# Altium PCB 2-quilter-output.PcbDoc (part 23 of 26)
Units mil, origin at the board's own origin, x right, y up, seen from the top; angles counter-clockwise.
Board outline 4130.55 x 4250 mil, 8 copper layers (L1, Ground L2, L3, Power L4, Ground L5, L6, Ground L7, L8), stack 62.985 mil thick; 591 components, 494 nets, 2245 pads, 1508 vias.
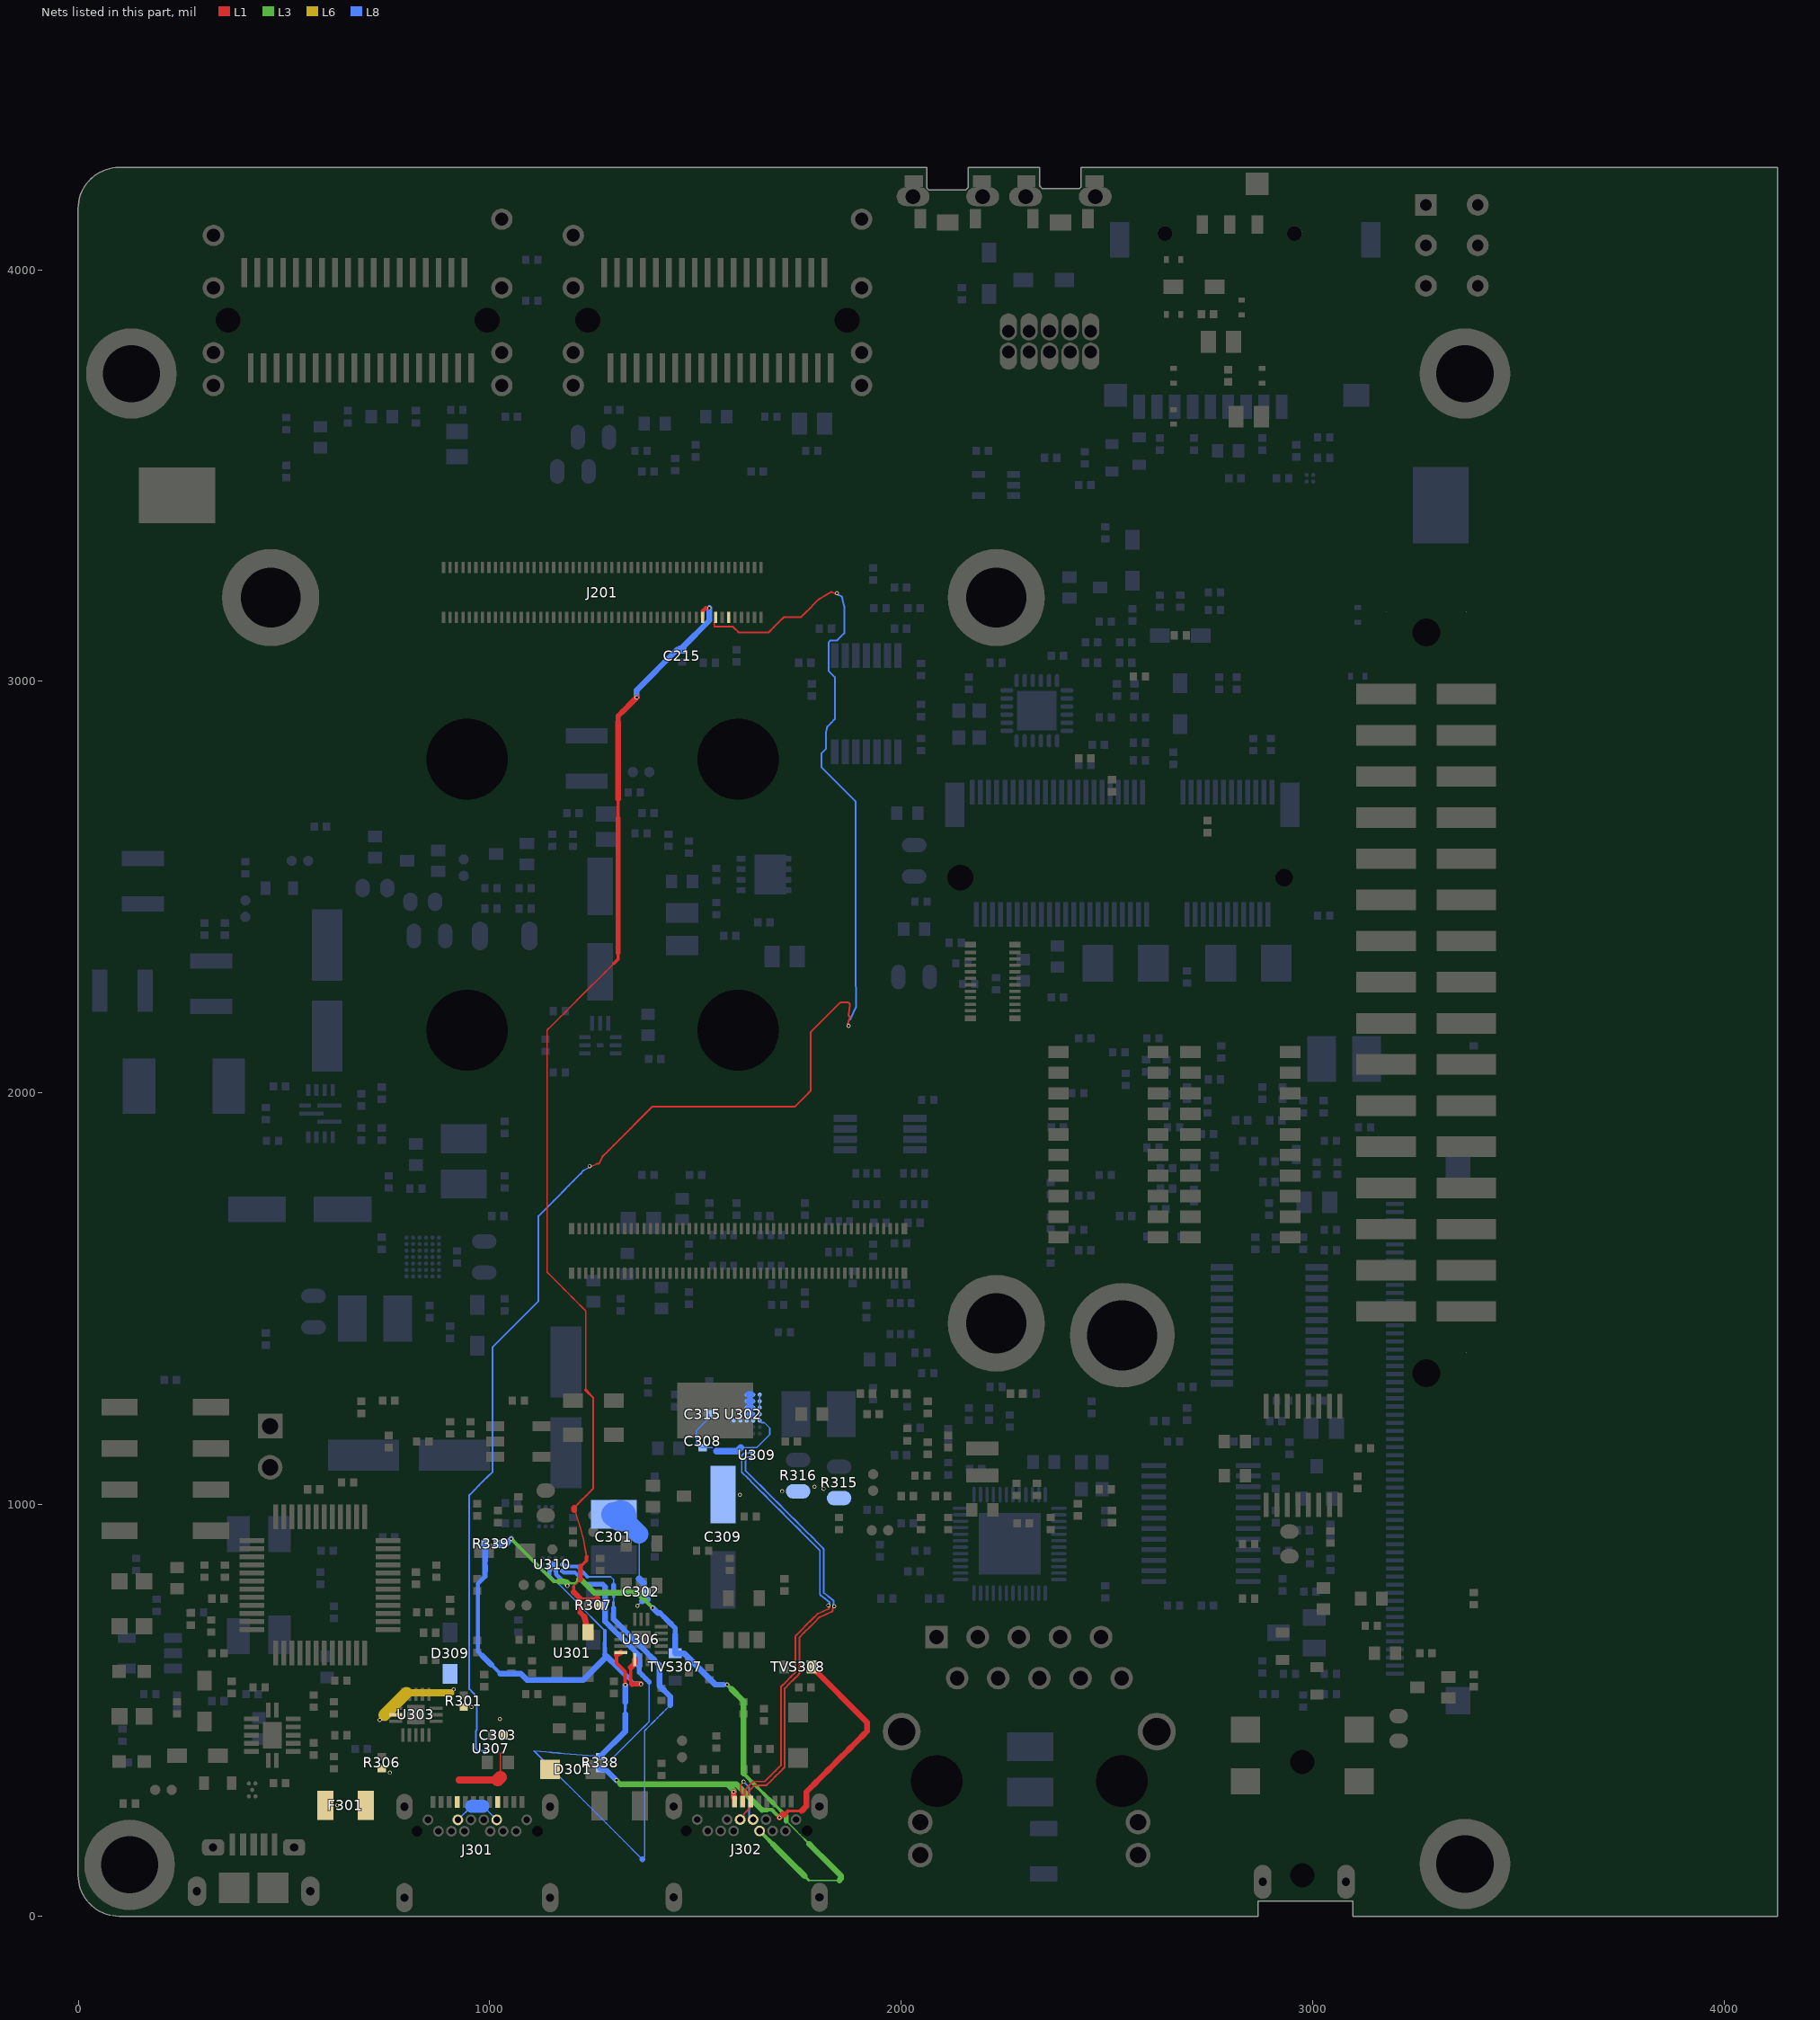
[diagram p29: the nets of this part, all layers, seen from the top]

## Via types
v1: diameter 9.85, hole 5.91, L1 to L8, tented both sides, 1508 vias

## Nets (pads, with @x,y where several pads share a name; then routed paths per layer and width w, separated by ;. In a path a pad name is that pad's centre, name@x,y a point inside that pad or via, vN(x,y) a via of type N, cw(c..) or ccw(c..) an arc to the next point about the centre after c; other vN are vias at no path point) (continued)
USB1_DP: J201.85 U307.C1 | length 4029.2
  L1 w4.28: v1(1243.09,1822) 1244.32,1819.49 1260.18,1827.28 1260.29,1827.34 1260.4,1827.39 1260.52,1827.43 1260.63,1827.48 1260.75,1827.52 1260.86,1827.56 1260.98,1827.59 1261.1,1827.62 1261.22,1827.65 1261.34,1827.67 1261.45,1827.7 1261.58,1827.71 1261.7,1827.73 1261.82,1827.74 1261.94,1827.75 1262.06,1827.76 1262.18,1827.76 1265.8,1827.79 1273.57,1842.95 1274.81,1845.57 ; 1274.81,1845.59 1274.87,1845.7 1274.92,1845.81 1274.98,1845.91 1275.05,1846.02 1275.11,1846.12 1275.18,1846.22 1275.25,1846.32 1275.32,1846.42 1275.4,1846.52 1275.48,1846.61 1275.56,1846.7 1275.64,1846.79 1275.72,1846.88 1288.82,1859.98 1301.92,1873.08 1315.02,1886.18 1328.12,1899.27 1341.22,1912.37 1354.31,1925.47 1367.41,1938.57 1380.51,1951.67 1393.61,1964.77 1393.69,1964.84 1393.78,1964.92 1393.87,1965.01 1393.96,1965.08 1394.06,1965.16 1394.15,1965.23 1394.25,1965.3 1394.35,1965.37 1394.46,1965.44 1394.56,1965.5 1394.67,1965.56 1394.78,1965.62 1394.89,1965.67 1395,1965.72 1395.11,1965.77 1395.22,1965.82 1395.34,1965.86 1395.45,1965.9 1395.57,1965.93 1395.69,1965.97 1395.8,1966 1395.92,1966.02 1396.04,1966.05 1396.16,1966.07 1396.28,1966.09 1396.4,1966.1 1396.53,1966.11 1396.65,1966.12 1396.77,1966.12 1396.89,1966.13 1415.04,1966.13 1433.19,1966.13 1451.34,1966.13 1469.49,1966.13 1487.65,1966.13 1505.8,1966.13 1523.95,1966.13 1542.1,1966.13 1560.25,1966.13 1578.4,1966.13 1596.55,1966.13 1614.7,1966.13 1632.85,1966.13 1651,1966.13 1669.15,1966.13 1687.3,1966.13 1705.45,1966.13 1723.61,1966.13 1741.76,1966.13 1754.6,1978.97 1767.44,1991.81 1780.28,2004.65 1780.28,2022.28 1780.28,2039.91 1780.28,2057.53 1780.28,2075.16 1780.28,2092.78 1780.28,2110.41 1780.28,2128.04 1780.28,2145.66 1780.29,2145.77 1780.29,2145.89 1780.3,2146.01 1780.31,2146.14 1780.32,2146.26 1780.34,2146.38 1780.36,2146.5 1780.38,2146.62 1780.41,2146.74 1780.44,2146.86 1780.47,2146.97 1780.51,2147.09 1780.55,2147.21 1780.59,2147.32 1780.63,2147.43 1780.68,2147.55 1780.73,2147.66 1780.79,2147.77 1780.84,2147.87 1780.9,2147.98 1780.97,2148.08 1781.03,2148.19 1781.1,2148.29 1781.17,2148.39 1781.24,2148.49 1781.32,2148.58 1781.39,2148.68 1781.48,2148.77 1781.56,2148.86 1781.64,2148.95 1793.14,2160.45 1804.65,2171.95 1816.15,2183.45 1827.65,2194.95 1839.15,2206.45 1850.65,2217.96 1850.73,2218.03 1850.82,2218.11 1850.91,2218.19 1851,2218.27 1851.1,2218.35 1851.2,2218.42 1851.3,2218.49 1851.4,2218.56 1851.5,2218.63 1851.61,2218.69 1851.71,2218.75 1851.82,2218.81 1851.93,2218.86 1852.04,2218.91 1852.15,2218.96 1852.27,2219 1852.38,2219.05 1852.5,2219.09 1852.61,2219.12 1852.73,2219.16 1852.85,2219.19 1852.97,2219.21 1853.09,2219.24 1853.21,2219.26 1853.33,2219.28 1853.45,2219.29 1853.57,2219.3 1853.69,2219.31 1853.81,2219.31 1853.93,2219.32 1870.63,2219.32 1870.73,2219.31 1870.85,2219.31 1870.97,2219.3 1871.09,2219.29 1871.21,2219.28 1871.33,2219.26 1871.45,2219.24 1871.57,2219.22 1871.69,2219.19 1871.81,2219.16 1871.93,2219.13 1872.04,2219.09 1872.16,2219.06 1872.27,2219.01 1872.39,2218.97 1872.5,2218.92 1872.61,2218.87 1872.72,2218.82 1872.83,2218.76 1872.94,2218.7 1873.04,2218.64 1873.14,2218.58 1873.25,2218.51 1873.35,2218.44 1873.44,2218.37 1873.54,2218.29 1873.63,2218.21 1873.73,2218.13 1873.82,2218.05 1873.9,2217.97 1873.99,2217.88 1874.07,2217.79 1874.15,2217.7 1874.23,2217.6 1874.31,2217.51 1874.38,2217.41 1874.45,2217.31 1874.52,2217.21 1874.58,2217.11 1874.65,2217 1874.71,2216.9 1874.76,2216.79 1874.82,2216.68 1874.87,2216.57 1874.92,2216.46 1874.96,2216.34 1875,2216.23 1875.04,2216.11 1875.08,2216 1875.11,2215.88 1875.14,2215.76 1875.17,2215.64 1875.19,2215.52 1875.21,2215.4 1875.23,2215.28 1875.25,2215.16 1875.26,2215.04 1875.27,2214.92 1875.27,2214.8 1875.27,2214.67 1875.27,2214.55 1875.27,2214.43 1875.26,2214.31 1875.25,2214.19 1873.84,2200.87 1872.43,2187.54 1872.57,2187.47 1872.68,2187.42 1872.79,2187.36 1872.89,2187.29 1873,2187.23 1873.1,2187.16 1873.2,2187.09 1873.3,2187.02 1873.39,2186.94 1873.48,2186.86 1873.58,2186.78 1873.67,2186.7 1873.75,2186.61 1873.84,2186.53 1873.92,2186.44 1874,2186.34 1874.08,2186.25 1874.15,2186.16 1874.23,2186.06 1874.3,2185.96 1874.36,2185.86 1874.43,2185.75 1874.49,2185.65 1874.55,2185.54 1874.61,2185.43 1874.66,2185.32 1874.71,2185.21 1874.76,2185.1 1874.8,2184.99 1874.84,2184.87 1874.88,2184.76 1874.92,2184.64 1874.95,2184.52 1874.98,2184.4 1875.01,2184.28 1875.03,2184.16 1875.05,2184.04 1875.07,2183.92 1875.08,2183.8 1875.09,2183.68 1875.1,2183.56 1875.1,2183.44 1875.1,2183.32 1875.1,2183.19 1875.1,2183.07 1875.09,2182.95 1875.08,2182.83 1875.06,2182.71 1875.04,2182.59 1875.02,2182.47 1875,2182.35 1874.97,2182.23 1874.94,2182.11 1872.38,2172.78 1869.82,2163.45 v1(1872.5,2162.72) ; J201.85@1549.22,3155.16 1546,3141.13 1545.98,3133.26 1560.2,3133.26 1574.42,3133.26 1588.64,3133.26 1588.75,3133.25 1588.87,3133.25 1588.99,3133.24 1589.11,3133.23 1589.23,3133.22 1589.35,3133.2 1589.47,3133.18 1589.59,3133.16 1589.71,3133.13 1589.83,3133.1 1589.95,3133.07 1590.06,3133.03 1590.18,3132.99 1590.29,3132.95 1590.41,3132.9 1590.52,3132.86 1590.63,3132.81 1590.74,3132.75 1590.85,3132.7 1590.95,3132.64 1591.06,3132.57 1591.16,3132.51 1591.26,3132.44 1591.36,3132.37 1591.46,3132.3 1591.56,3132.22 1591.65,3132.14 1591.74,3132.06 1591.83,3131.98 1591.92,3131.9 1604.64,3119.17 1623.16,3119.17 1641.68,3119.17 1660.2,3119.17 1678.71,3119.17 1690.58,3131.04 1702.45,3142.91 1714.32,3154.78 1714.4,3154.86 1714.49,3154.94 1714.58,3155.02 1714.68,3155.1 1714.77,3155.17 1714.87,3155.25 1714.97,3155.32 1715.07,3155.39 1715.17,3155.45 1715.28,3155.51 1715.38,3155.57 1715.49,3155.63 1715.6,3155.68 1715.71,3155.74 1715.82,3155.78 1715.94,3155.83 1716.05,3155.87 1716.17,3155.91 1716.28,3155.95 1716.4,3155.98 1716.52,3156.01 1716.64,3156.04 1716.76,3156.06 1716.88,3156.08 1717,3156.1 1717.12,3156.12 1717.24,3156.13 1717.36,3156.13 1717.48,3156.14 1717.61,3156.14 1730.72,3156.14 1743.83,3156.14 1756.94,3156.14 1767.61,3166.82 1778.29,3177.49 1788.97,3188.17 1799.64,3198.85 1799.75,3198.95 1799.84,3199.04 1799.94,3199.12 1800.03,3199.19 1800.13,3199.27 1800.22,3199.34 1800.32,3199.41 1800.43,3199.48 1800.53,3199.54 1808.78,3204.51 1817.03,3209.48 1828.19,3216.13 1828.25,3216.16 1828.36,3216.22 1828.46,3216.28 1828.57,3216.33 1828.68,3216.38 1828.8,3216.43 1828.91,3216.48 1829.02,3216.52 1829.14,3216.56 1829.26,3216.59 1829.37,3216.63 1829.49,3216.66 1829.61,3216.68 1829.73,3216.71 1829.85,3216.73 1829.97,3216.74 1830.09,3216.76 1830.21,3216.77 1830.34,3216.78 1830.46,3216.78 1830.58,3216.78 1830.7,3216.78 1830.82,3216.77 1830.95,3216.77 1831.07,3216.75 1831.19,3216.74 1831.31,3216.72 1831.43,3216.7 1831.55,3216.68 1831.67,3216.65 1831.79,3216.62 1831.9,3216.58 1832.02,3216.55 1832.13,3216.51 1832.25,3216.47 1832.36,3216.42 1843.1,3211.91 v1(1844.18,3214.48)
  L8 w4.28: U307.C1@987.49,397.66 982.44,400.87 973.64,400.86 973.53,400.87 973.41,400.87 973.29,400.88 973.16,400.89 973.04,400.9 972.92,400.92 972.8,400.94 972.68,400.96 972.56,400.99 972.45,401.02 972.33,401.05 972.21,401.09 972.1,401.13 971.98,401.17 971.87,401.21 971.76,401.26 971.65,401.31 971.54,401.37 971.43,401.42 971.32,401.48 971.22,401.55 971.11,401.61 971.01,401.68 970.91,401.75 970.81,401.82 970.72,401.9 970.62,401.98 970.53,402.06 970.44,402.14 970.36,402.22 967.42,405.16 967.35,405.24 967.26,405.32 967.18,405.42 967.1,405.51 967.03,405.61 966.96,405.7 966.88,405.8 966.82,405.9 966.75,406.01 966.69,406.11 966.63,406.22 966.57,406.33 966.52,406.43 966.47,406.54 966.42,406.66 966.37,406.77 966.33,406.88 966.29,407 966.26,407.12 966.22,407.23 966.19,407.35 966.16,407.47 966.14,407.59 966.12,407.71 966.1,407.83 966.09,407.95 966.08,408.07 966.07,408.2 966.06,408.32 966.06,408.44 966.06,421.28 966.06,434.12 966.06,446.96 966.06,447.07 966.07,447.19 966.08,447.31 966.09,447.43 966.1,447.55 966.12,447.68 966.14,447.8 966.16,447.92 966.19,448.03 966.22,448.15 966.25,448.27 966.29,448.39 966.33,448.5 966.37,448.62 966.41,448.73 966.46,448.84 966.51,448.95 966.57,449.06 966.62,449.17 966.68,449.28 966.74,449.38 966.81,449.49 966.88,449.59 966.95,449.69 967.02,449.78 967.09,449.88 967.17,449.97 967.25,450.07 967.34,450.15 967.42,450.24 968.57,451.39 968.57,467.7 968.57,484.02 968.57,500.33 968.57,516.65 968.57,532.97 959.95,541.58 951.34,550.19 951.27,550.26 951.19,550.35 951.1,550.45 951.03,550.54 950.95,550.63 950.88,550.73 950.81,550.83 950.74,550.93 950.67,551.04 950.61,551.14 950.55,551.25 950.49,551.36 950.44,551.46 950.39,551.57 950.34,551.69 950.29,551.8 950.25,551.91 950.21,552.03 950.18,552.15 950.14,552.26 950.11,552.38 950.09,552.5 950.06,552.62 950.04,552.74 950.02,552.86 950.01,552.98 950,553.1 949.99,553.23 949.99,553.35 949.98,553.47 949.98,572.13 949.98,590.79 949.98,609.46 949.98,628.12 949.98,646.78 949.98,665.44 949.98,684.11 949.98,702.77 949.98,721.43 949.98,740.09 949.98,758.76 949.98,777.42 949.98,796.08 949.98,814.74 949.98,833.4 949.98,852.07 949.98,870.73 949.98,889.39 949.98,908.05 949.98,926.72 949.98,945.38 949.98,964.04 949.98,982.7 949.98,1001.37 949.98,1020.03 949.99,1020.13 949.99,1020.26 950,1020.38 950.01,1020.5 950.02,1020.62 950.04,1020.74 950.06,1020.86 950.08,1020.98 950.11,1021.1 950.14,1021.22 950.17,1021.34 950.21,1021.45 950.25,1021.57 950.29,1021.68 950.33,1021.8 950.38,1021.91 950.43,1022.02 950.49,1022.13 950.54,1022.24 950.6,1022.34 950.67,1022.45 950.73,1022.55 950.8,1022.65 950.87,1022.75 950.94,1022.85 951.02,1022.95 951.1,1023.04 951.18,1023.13 951.26,1023.22 951.34,1023.31 962.5,1034.47 973.67,1045.63 984.83,1056.79 995.99,1067.95 1007.15,1079.12 1007.15,1097.94 1007.15,1116.76 1007.15,1135.58 1007.15,1154.4 1007.15,1173.22 1007.15,1192.04 1007.15,1210.87 1007.15,1229.69 1007.15,1248.51 1007.15,1267.33 1007.15,1286.15 1007.15,1304.97 1007.15,1323.79 1007.15,1342.62 1007.15,1361.44 1007.15,1380.26 1007.15,1380.37 1007.16,1380.49 1007.16,1380.61 1007.17,1380.73 1007.19,1380.85 1007.21,1380.97 1007.23,1381.09 1007.25,1381.21 1007.28,1381.33 1007.31,1381.45 1007.34,1381.57 1007.37,1381.68 1007.41,1381.8 1007.46,1381.91 1007.5,1382.03 1007.55,1382.14 1007.6,1382.25 1007.65,1382.36 1007.71,1382.47 1007.77,1382.58 1007.83,1382.68 1007.9,1382.78 1007.96,1382.88 1008.03,1382.98 1008.11,1383.08 1008.18,1383.18 1008.26,1383.27 1008.34,1383.36 1008.42,1383.45 1008.51,1383.54 1020.69,1395.72 1032.87,1407.9 1045.05,1420.08 1057.23,1432.26 1069.41,1444.44 1081.59,1456.62 1093.77,1468.81 1105.95,1480.99 1118.13,1493.17 1118.13,1511.79 1118.13,1530.42 1118.13,1549.05 1118.13,1567.68 1118.13,1586.3 1118.13,1604.93 1118.13,1623.56 1118.13,1642.19 1118.13,1660.82 1118.13,1679.44 1118.13,1698.07 1118.14,1698.18 1118.14,1698.3 1118.15,1698.42 1118.16,1698.54 1118.17,1698.66 1118.19,1698.78 1118.21,1698.91 1118.23,1699.02 1118.26,1699.14 1118.29,1699.26 1118.32,1699.38 1118.36,1699.5 1118.4,1699.61 1118.44,1699.73 1118.48,1699.84 1118.53,1699.95 1118.58,1700.06 1118.64,1700.17 1118.69,1700.28 1118.75,1700.39 1118.82,1700.49 1118.88,1700.59 1118.95,1700.7 1119.02,1700.8 1119.09,1700.89 1119.17,1700.99 1119.25,1701.08 1119.33,1701.17 1119.41,1701.26 1119.49,1701.35 1131.65,1713.5 1143.8,1725.66 1155.95,1737.81 1168.1,1749.96 1180.26,1762.11 1192.41,1774.27 1204.56,1786.42 1213.92,1796.13 1223.17,1805.73 1226.85,1810.41 1226.93,1810.51 1227.01,1810.6 1227.09,1810.69 1227.17,1810.78 1227.26,1810.86 1227.35,1810.95 1227.44,1811.03 1227.53,1811.11 1227.63,1811.19 1227.72,1811.26 1227.82,1811.33 1227.92,1811.4 1228.03,1811.47 1228.13,1811.53 1228.24,1811.59 1228.34,1811.65 1228.45,1811.7 1244.32,1819.49 v1(1243.09,1822) ; v1(1844.18,3214.48) 1843.1,3211.91 1853.83,3207.4 1853.89,3207.37 1854.01,3207.32 1854.11,3207.27 1854.22,3207.21 1854.33,3207.15 1854.43,3207.09 1854.54,3207.03 1854.64,3206.96 1854.74,3206.89 1854.84,3206.82 1854.93,3206.74 1855.03,3206.66 1855.12,3206.58 1855.21,3206.5 1855.3,3206.42 1855.38,3206.33 1855.47,3206.24 1855.55,3206.15 1855.63,3206.06 1855.7,3205.96 1855.78,3205.86 1855.85,3205.76 1855.91,3205.66 1855.98,3205.56 1856.04,3205.46 1856.1,3205.35 1856.16,3205.24 1856.21,3205.13 1856.27,3205.02 1856.31,3204.91 1856.36,3204.8 1856.4,3204.68 1856.44,3204.57 1856.48,3204.45 1856.51,3204.33 1856.54,3204.22 1859.39,3192.47 1862.24,3180.73 ; 1862.24,3180.72 1862.27,3180.6 1862.29,3180.48 1862.32,3180.36 1862.33,3180.24 1862.35,3180.12 1862.36,3180 1862.37,3179.88 1862.37,3179.75 1862.37,3179.63 1862.37,3164.48 1862.37,3149.32 1862.37,3134.17 1862.37,3119.01 1862.37,3118.91 1862.37,3118.78 1862.36,3118.66 1862.35,3118.54 1862.33,3118.42 1862.32,3118.3 1862.3,3118.18 1862.27,3118.06 1862.25,3117.94 1862.22,3117.82 1862.18,3117.7 1862.15,3117.59 1862.11,3117.47 1862.07,3117.36 1862.02,3117.24 1861.97,3117.13 1861.92,3117.02 1861.87,3116.91 1861.81,3116.8 1861.75,3116.7 1861.69,3116.59 1861.63,3116.49 1861.56,3116.39 1861.49,3116.29 1861.42,3116.19 1861.34,3116.09 1861.26,3116 1861.18,3115.91 1861.1,3115.82 1861.01,3115.73 1853.24,3107.96 1845.47,3100.19 1845.39,3100.11 1845.3,3100.03 1845.21,3099.95 1845.12,3099.87 1845.02,3099.79 1844.93,3099.72 1844.83,3099.65 1844.73,3099.58 1844.62,3099.52 1844.52,3099.46 1844.41,3099.4 1844.3,3099.34 1844.19,3099.28 1844.08,3099.23 1843.97,3099.18 1843.86,3099.14 1843.74,3099.1 1843.63,3099.06 1843.51,3099.02 1843.39,3098.99 1843.28,3098.96 1843.16,3098.93 1843.04,3098.91 1842.92,3098.89 1842.8,3098.87 1842.68,3098.85 1842.55,3098.84 1842.43,3098.84 1842.31,3098.83 1842.19,3098.83 1827.75,3098.83 1823.59,3094.67 1823.59,3077.33 1823.59,3059.99 1823.59,3042.64 1823.59,3025.3 1830.87,3018.02 1838.15,3010.74 1838.23,3010.67 1838.31,3010.58 1838.39,3010.48 1838.47,3010.39 1838.54,3010.3 1838.62,3010.2 1838.69,3010.1 1838.76,3010 1838.82,3009.89 1838.88,3009.79 1838.94,3009.68 1839,3009.58 1839.05,3009.47 1839.11,3009.36 1839.15,3009.24 1839.2,3009.13 1839.24,3009.02 1839.28,3008.9 1839.32,3008.78 1839.35,3008.67 1839.38,3008.55 1839.41,3008.43 1839.43,3008.31 1839.45,3008.19 1839.47,3008.07 1839.48,3007.95 1839.5,3007.83 1839.5,3007.7 1839.51,3007.58 1839.51,3007.46 1839.51,2991.32 1839.51,2975.18 1839.51,2959.04 1839.51,2942.9 1839.51,2926.77 1839.51,2910.63 1839.51,2910.52 1839.5,2910.4 1839.5,2910.28 1839.49,2910.15 1839.47,2910.03 1839.45,2909.91 1839.43,2909.79 1839.41,2909.67 1839.38,2909.55 1839.35,2909.43 1839.32,2909.32 1839.29,2909.2 1839.25,2909.09 1839.2,2908.97 1839.16,2908.86 1839.11,2908.75 1839.06,2908.63 1839.01,2908.53 1838.95,2908.42 1838.89,2908.31 1838.83,2908.21 1838.76,2908.1 1838.7,2908 1838.63,2907.9 1838.55,2907.8 1838.48,2907.71 1838.4,2907.61 1838.32,2907.52 1838.24,2907.43 1838.15,2907.35 1829.63,2898.83 1821.11,2890.31 1817.83,2875.73 1817.83,2856.95 1817.83,2838.16 1817.82,2838.05 1817.82,2837.93 1817.81,2837.81 1817.8,2837.69 1817.79,2837.57 1817.77,2837.45 1817.75,2837.33 1817.73,2837.21 1817.7,2837.09 1817.67,2836.97 1817.64,2836.85 1817.6,2836.73 1817.56,2836.62 1817.52,2836.5 1817.48,2836.39 1817.43,2836.28 1817.38,2836.17 1817.32,2836.06 1817.27,2835.95 1817.21,2835.84 1817.14,2835.74 1817.08,2835.64 1817.01,2835.53 1816.94,2835.43 1816.87,2835.34 1816.79,2835.24 1816.71,2835.15 1816.63,2835.06 1816.55,2834.97 1816.47,2834.88 1806.74,2825.15 1806.74,2807.95 1806.74,2790.75 1818.39,2779.1 1830.04,2767.46 1841.69,2755.81 1853.33,2744.16 1864.98,2732.51 1876.63,2720.86 1888.28,2709.21 1888.36,2709.13 1888.44,2709.04 1888.52,2708.95 1888.6,2708.86 1888.67,2708.76 1888.75,2708.67 1888.82,2708.57 1888.89,2708.47 1888.95,2708.36 1889.01,2708.26 1889.07,2708.15 1889.13,2708.04 1889.18,2707.93 1889.24,2707.82 1889.28,2707.71 1889.33,2707.6 1889.37,2707.48 1889.41,2707.37 1889.45,2707.25 1889.48,2707.14 1889.51,2707.02 1889.54,2706.9 1889.56,2706.78 1889.58,2706.66 1889.6,2706.54 1889.61,2706.42 1889.63,2706.3 1889.63,2706.17 1889.64,2706.05 1889.64,2705.93 1889.64,2687.68 1889.64,2669.43 1889.64,2651.17 1889.64,2632.92 1889.64,2614.67 1889.64,2596.42 1889.64,2578.16 1889.64,2559.91 1889.64,2541.66 1889.64,2523.41 1889.64,2505.15 1889.64,2486.9 1889.64,2468.65 1889.64,2450.4 1889.64,2432.15 1889.64,2413.89 1889.64,2395.64 1889.64,2377.39 1889.64,2359.14 1889.64,2340.88 1889.64,2322.63 1889.64,2304.38 1889.64,2286.13 1889.99,2267.25 1890.34,2248.37 1890.69,2229.49 1891.04,2210.62 1891.04,2210.48 1891.04,2210.36 1891.03,2210.24 1891.02,2210.12 1891.01,2210 1891,2209.87 1890.98,2209.75 1890.96,2209.63 1890.93,2209.51 1890.9,2209.4 1890.87,2209.28 1890.84,2209.16 1890.8,2209.05 1890.76,2208.93 1890.72,2208.82 1890.67,2208.7 1890.62,2208.59 1884.18,2194.58 1877.74,2180.56 1877.71,2180.5 1877.66,2180.39 1877.6,2180.28 1877.54,2180.18 1877.48,2180.07 1877.41,2179.97 1877.35,2179.87 1877.28,2179.77 1877.2,2179.67 1877.13,2179.57 1877.05,2179.48 1876.97,2179.39 1876.89,2179.3 1876.8,2179.21 1876.71,2179.13 1876.62,2179.04 1876.53,2178.96 1876.44,2178.89 1876.34,2178.81 1876.24,2178.74 1876.14,2178.67 1876.04,2178.6 1875.94,2178.54 1875.83,2178.47 1875.73,2178.41 1875.62,2178.36 1875.51,2178.3 1875.4,2178.25 1875.29,2178.21 1875.17,2178.16 1875.06,2178.12 1874.94,2178.08 1874.83,2178.04 1874.71,2178.01 1874.59,2177.98 1874.47,2177.96 1874.35,2177.93 1874.23,2177.91 1874.11,2177.9 1873.99,2177.88 1873.87,2177.87 1873.77,2177.87 1869.82,2163.45 v1(1872.5,2162.72)
USB1_ID: J201.89
USB1_OTG_VBUS: C303.1 D301.C F301.1 J301.A4 J301.A9 J301.B4 J301.B9 R301.1 R306.1 | length 294.1
  L1 w3.5: 1026.1,336.46 1026.1,393.48 1034.46,401.84
  L1 w16.55: 925.48,329.98 1019.62,329.98
  L1 w31.31: 1019.62,329.98 1026.1,336.46
  L8 w3.5: J301.B9@922.7,233.05 955.87,266.22 ; 984.01,266.22 1007.93,242.3 J301.B4@1017.18,233.05
  L8 w31.31: 955.87,266.22 984,266.22
  other v1: 757.42,347.72 1025,477.79 955.68,507.32
USB1_OTG_VBUS_F: C301.1 C302.1 D309.A F301.2 U302.C2 U302.C3 U302.C4 U302.C5 U302.D4 U302.D5 U302.E4 U302.E5 U302.F4 U302.F5 U302.G4 U302.G5 U303.15 | length 481.5
  L6 w17.83: 797.38,541.6 905.4,541.6
  L6 w29.68: 744,488.22 797.38,541.6
  L8 w3.5: v1(1359.01,753.44) 1370.97,765.4 ; 1363.15,818.62 1363.15,927.1 ; 1373.06,808.72 C302.1@1382.95,787.36 1382.93,768.22
  L8 w16.55: 1363.15,818.62 1373.06,808.72 ; 1370.97,765.4 1373.79,768.22 1382.93,768.22 ; 1629.92,1219.02 1635.59,1219.02 ; 1629.92,1234.76 1635.59,1234.76 ; 1629.92,1250.51 1635.59,1250.51 ; 1629.92,1266.26 1635.59,1266.26
  L8 w46.08: C301.1@1318.59,971.66 1363.15,927.1
  L8 w60.85: C301.1@1301.83,975.18 C301.1@1318.59,971.67
  other v1: 629.39,268.58 732.75,475.98 912.49,550.28
USB1_VBUS: C215.1 J201.81 R307.2 U301.1 | length 2848.8
  L1 w3.5: 1139.68,2031.65 1139.68,2016.06 1139.68,2000.47 1139.68,1984.88 1139.68,1969.29 1139.68,1953.7 1139.68,1938.11 1139.68,1922.52 1139.68,1906.93 1139.68,1891.34 1139.68,1875.74 1139.68,1860.15 1139.68,1844.56 1139.68,1828.97 1139.68,1813.38 1139.68,1797.79 1139.68,1782.2 1139.68,1766.61 1139.68,1751.02 1139.68,1735.43 1139.68,1719.84 1139.68,1704.25 1139.68,1688.66 1139.68,1673.07 1139.68,1657.48 1139.68,1641.89 1139.68,1626.3 1139.68,1610.71 1139.68,1595.12 1139.68,1579.53 1139.68,1563.94 1149.89,1553.72 1160.11,1543.51 1170.58,1533.03 1181.06,1522.55 1191.54,1512.08 1202.01,1501.6 1212.49,1491.12 1222.96,1480.65 1233.44,1470.17 1233.44,1455.36 1233.44,1440.55 1233.44,1425.74 1233.44,1410.92 1233.44,1396.11 1233.44,1381.3 1233.44,1366.49 1233.44,1351.68 1233.44,1336.87 1233.44,1322.05 1233.44,1307.24 1233.44,1292.43 1233.44,1277.62 ; 1203.69,800.67 1212.08,809.07 1220.48,817.46 ; 1208.1,983.8 1212.1,970.16 1216.1,956.53 1220.1,942.89 1224.1,929.26 1228.11,915.63 1230.58,901.12 1233.06,886.61 1235.54,872.1
  L1 w3.83: 1139.69,2031.71 1139.69,2046.78 1139.69,2061.85 1139.69,2076.93 1139.69,2092 1139.69,2107.07 1139.69,2122.14 1139.69,2137.22 1139.69,2152.29 1150.5,2163.1 1161.31,2173.9 1172.11,2184.71 1182.92,2195.52 1193.73,2206.33 1204.54,2217.13 1215.35,2227.94 1226.15,2238.75 1236.96,2249.56 1247.77,2260.36 1258.58,2271.17 1269.38,2281.98 1280.19,2292.79 1291,2303.59 1301.81,2314.4 ; 1251.78,1200.3 1251.78,1215.04 1251.78,1229.79 1251.78,1244.53 1251.78,1259.27
  L1 w4.85: 1205.54,991.88 1214.79,1001.13 1224.04,1010.38 1233.29,1019.63 1242.53,1028.87 1251.78,1038.12 1251.78,1052.87 1251.78,1067.61 1251.78,1082.35 1251.78,1097.1 1251.78,1111.84 1251.78,1126.58 1251.78,1141.33 1251.78,1156.07 1251.78,1170.81 1251.78,1185.56 1251.78,1200.3 ; 1219.67,771.31 1232.79,771.31 1247.07,771.31 1261.36,771.31 ; 1242.61,1268.45 1251.78,1259.27
  L1 w6.9: 1233.44,1277.62 1242.61,1268.45
  L1 w7.92: 1203.69,787.3 1203.69,800.67 ; 1219.67,737.19 1219.67,746.74 1219.67,756.29 1219.67,771.31 ; 1220.48,848.46 1228.01,855.99 1235.54,863.52 ; 1301.81,2314.4 1312.61,2325.21 1312.61,2340.76 ; 1312.61,2667.25 1312.61,2682.79 1312.61,2698.34 1312.61,2713.89 ; 1524.9,3177.89 v1(1533.88,3177.89)
  L1 w8.94: 1205.54,986.36 1208.1,983.8 ; 1235.54,863.52 1235.54,872.1 ; 1261.52,771.15 R307.2@1264.17,762.66
  L1 w9.96: R307.2@1264.17,762.66 R307.2@1266.83,754.16 ; J201.81@1517.72,3155.16 1517.72,3170.7 1524.9,3177.89
  L1 w12.01: 1219.67,737.19 1230.13,726.73 ; 1312.61,2340.76 1312.61,2356.3 1312.61,2371.85 1312.61,2387.4 1312.61,2402.95 1312.61,2418.49 1312.61,2434.04 1312.61,2449.59 1312.61,2465.13 1312.61,2480.68 1312.61,2496.23 1312.61,2511.77 1312.61,2527.32 1312.61,2542.87 1312.61,2558.42 1312.61,2573.96 1312.61,2589.51 1312.61,2605.06 1312.61,2620.6 1312.61,2636.15 1312.61,2651.7 1312.61,2667.25 ; 1312.61,2900.45 1312.61,2916 1321.57,2924.95
  L1 w13.03: 1211.68,779.3 1219.67,771.31 ; 1220.48,817.46 1220.48,832.96 1220.48,848.46
  L1 w14.05: 1203.69,787.3 1211.68,779.3 ; 1205.54,986.36 1205.54,991.88 ; 1230.13,726.73 U301.1@1238.8,689.13 ; 1261.36,771.31 1261.52,771.15 ; 1312.61,2713.89 1312.61,2729.43 1312.61,2744.98 1312.61,2760.53 1312.61,2776.08 1312.61,2791.62 1312.61,2807.17 1312.61,2822.72 1312.61,2838.26 1312.61,2853.81 1312.61,2869.36 1312.61,2884.9 1312.61,2900.45 ; 1321.57,2924.95 1330.52,2933.9 1339.47,2942.85 1348.42,2951.8 v1(1357.37,2960.76)
  L8 w14.05: v1(1357.37,2960.76) 1357.37,2978.33 1455.57,3076.54 C215.1@1467.72,3076.54 1467.72,3081.83 1533.88,3147.99 1533.88,3164.8 v1(1533.88,3177.89)
USB1_VBUS_IN: C308.1 C309.1 C315.2 R315.1 R316.1 U302.C6 U302.D6 U302.E6 U302.F6 U302.G6 | length 382.4
  L8 w3.5: C315.2@1532.24,1219 1532.24,1208.65 1502.16,1178.58 1502.16,1149.68 1513.99,1137.85 1517.48,1137.85 1541.35,1137.85 ; 1610.87,1137.6 1649.18,1137.6 1680.88,1169.29 1680.88,1185.12 1667.6,1198.4 1661.25,1198.4 1656.38,1203.25 1656.38,1208.27 1656.38,1213.98 U302.D6@1656.38,1219 1656.38,1224.06 1656.38,1229.72 U302.E6@1656.38,1234.75 1656.38,1239.8 1656.38,1245.47 U302.F6@1656.38,1250.5 1656.38,1255.55 1656.38,1261.22 U302.G6@1656.38,1266.24
  L8 w16.55: 1551.98,1128.77 1602.05,1128.77 1610.87,1137.6
  other v1: 1608.03,1023.1 1710.75,1031.44 1811.95,1037.63 1789.34,1042.49
USB2_CC1: R338.2 U306.13 U310.A2 | length 1732.5
  L1 w7.92: v1(1329.39,560.78) 1329.39,569.31
  L1 w8.94: 1308.71,634.53 1308.71,624.14 1308.71,613.75 1319.05,603.41 1329.39,593.08 1329.39,577.84 1329.39,569.31
  L1 w14.05: 1308.71,634.53 U306.13@1318.98,639.65
  L8 w3.5: 1237.73,823.84 1251.9,823.84 1266.06,823.84 1280.23,823.84 1294.39,823.84 1301.12,817.12 ; R338.2@1268.65,387.09 1254.06,388.29 1239.47,389.5 1224.87,390.71 1210.27,391.91 1195.67,393.12 1181.08,394.33 1166.48,395.53 1151.88,396.74 1137.29,397.95 1122.69,399.16 1108.09,400.36 1108.08,400.25 1119.03,389.3 1129.98,378.35 1140.93,367.41 1151.88,356.46 1162.83,345.51 1173.78,334.56 1184.72,323.61 1195.67,312.66 1206.62,301.71 1217.57,290.76 1228.52,279.81 1239.47,268.86 1250.42,257.91 1261.37,246.96 1272.32,236.02 1283.27,225.07 1294.22,214.12 1305.17,203.17 1316.12,192.22 1327.06,181.27 1338.01,170.32 1348.96,159.37 1359.91,148.42 1370.86,137.47 ; 1370.88,137.47 1376.49,143.08 1376.49,146.99 1376.49,162.11 1376.49,177.23 1376.49,192.36 1376.49,207.48 1376.49,222.6 1376.49,237.72 1376.49,252.84 1376.49,267.96 1376.49,283.08 1376.49,298.2 1376.49,313.32 1376.49,328.44 1376.49,343.57 1376.49,358.69 1376.49,373.81 1376.49,388.93 1376.49,404.05 1376.49,419.17 1376.49,434.29 1376.49,449.41 1386.91,459.83 1397.33,470.25 1407.74,480.66 1418.16,491.08 1428.57,501.49 1438.99,511.91
  L8 w3.83: 1301.12,761.94 1301.12,775.73 ; 1301.12,803.32 1301.12,817.12
  L8 w6.9: 1301.12,748.15 1301.12,761.94 ; 1329.39,490.18 1329.39,504.3
  L8 w7.92: U310.A2@1176.15,853.77 1178.33,855.96 1185.85,848.45 ; 1301.12,775.73 1301.12,789.53 ; 1329.39,504.3 1329.39,518.42
  L8 w8.94: 1185.85,848.45 1199.49,848.45 1213.13,848.45 1221.33,840.25 1229.53,832.05 1237.73,823.84
  L8 w12.01: 1301.12,734.35 1301.12,748.15 ; 1301.12,789.53 1301.12,803.32
  L8 w13.03: 1301.12,734.35 1301.12,720.56 1312.24,709.44 1323.37,698.31 1334.49,687.19 1345.61,676.07 1356.73,664.95 1367.86,653.82 1378.98,642.7 1390.1,631.58 ; 1401.22,620.46 1412.35,609.33
  L8 w14.05: R338.2@1268.65,387.09 1329.39,447.82 ; 1329.39,447.83 1329.39,461.94 1329.39,476.06 1329.39,490.18 ; 1329.39,518.42 1329.39,532.54 1329.39,546.66 v1(1329.39,560.78) ; 1390.1,631.58 1401.22,620.46 ; 1412.35,609.33 1412.35,559.39 1438.99,532.75 1438.99,511.91
USB2_CC1_CN: J302.A5 R338.1 TVS308.2 U310.A1 | length 1722.5
  L1 w6.9: 1725.2,254.76 1740.17,254.76 1755.14,254.76
  L1 w8.94: 1717.31,246.87 1725.2,254.76 ; 1755.14,254.76 1758.36,254.76
  L1 w12.01: J302.A5@1595.02,277.49 J302.A5@1595.02,286.14
  L1 w13.03: 1770.12,301.34 1780.65,311.87
  L1 w14.05: v1(1592.85,300.77) 1592.85,288.3 J302.A5@1595.02,286.14 ; v1(1704.43,238.98) 1712.08,246.62 1717.05,246.62 1717.31,246.87 ; 1758.36,254.76 1770.12,266.52 1770.12,270.29 1770.12,285.81 1770.12,301.34 ; 1780.65,311.87 1791.18,322.4 1801.71,332.93 1812.24,343.46 1822.77,353.99 1833.3,364.52 1843.83,375.05 1854.36,385.58 1864.89,396.11 1875.42,406.64 1885.95,417.17 1896.48,427.7 1907.01,438.23 1917.54,448.76 1917.55,469.82 TVS308.2@1782.85,604.53
  L3 w8.94: 1673.73,257.64 1685.77,257.64 1695.1,248.31 v1(1704.43,238.98)
  L3 w10.99: v1(1308.2,329.32) 1318.14,319.39
  L3 w12.01: 1661.69,257.64 1673.73,257.64
  L3 w14.05: 1318.14,319.39 1578.27,319.39 ; v1(1592.85,300.77) 1592.85,304.8 1578.27,319.39 ; 1661.69,257.64 1599.94,319.39 1578.27,319.39
  L8 w3.5: R338.1@1275.16,359.53 1285.39,369.76 1295.62,379.99 1305.86,390.22 1316.09,400.45 1326.32,410.68 1336.55,420.91 1346.78,431.15 1357.01,441.38 1367.24,451.61 1377.47,461.84 1387.7,472.07 1387.7,485.78 1387.7,499.49 1387.7,513.2 1387.7,526.91 1387.7,540.62 1387.7,554.33 1387.7,568.04
  L8 w8.94: U310.A1@1176.15,838.02 1179.97,834.23 1193.61,834.23 1207.24,834.23 1216.85,824.61 1226.46,815 1236.08,805.39
  L8 w12.01: 1236.08,805.39 1248.92,805.39 1261.76,805.39 1274.61,805.39 ; R338.1@1268.65,357.57 R338.1@1275.16,359.53 ; 1363.56,592.19 1371.61,584.14 1379.66,576.09 1387.7,568.04
  L8 w13.03: 1274.61,805.39 1281.02,798.97 ; 1281.02,714.76 1286.74,709.04 1292.45,703.32 1302.61,693.17 1312.77,683.01 1322.93,672.85 1333.09,662.69 1343.24,652.53 1353.4,642.38 1363.56,632.22 1363.56,618.87 ; 1363.56,592.19 1363.56,605.53
  L8 w14.05: R338.1@1268.65,357.57 1284.77,352.75 v1(1308.2,329.32) ; 1281.02,714.76 1281.02,798.97 ; 1363.56,605.53 1363.56,618.87
USB2_CC2: R339.2 U306.14 U310.B2 U310.C1 U310.C2 | length 1128.6
  L1 w6.9: 1342.73,565.81 1342.73,578.29 1342.73,590.78 1342.73,603.26
  L1 w7.92: 1342.73,565.81 1345.66,562.88
  L1 w12.01: 1345.67,562.88 1356.78,562.88 v1(1367.9,562.88)
  L1 w14.05: 1342.73,603.26 1352.42,612.96 U306.14@1352.44,621.94
  L8 w3.5: 1145.16,829.09 1155.82,818.42 1166.49,807.75 1177.16,797.08 1187.83,786.41 1198.5,775.74 1209.17,765.07 1214.51,759.74 ; 1214.51,758.26 1222.16,750.6 1229.81,742.95 1239.79,732.98 1249.76,723 1259.74,713.02 1269.71,703.05 1279.69,693.07
  L8 w7.92: 1342.38,572.51 1352.01,562.88
  L8 w8.94: 1003.73,610.44 1014.63,599.55 1025.52,588.65 ; 1279.69,664.14 1279.69,678.61 1279.69,693.07
  L8 w9.96: 979.77,815.6 971.05,806.88 971.05,792 971.05,777.11 971.05,762.22 971.05,747.34 971.05,732.45 971.05,717.56 971.05,702.68 971.05,687.79 971.05,672.9 971.05,658.02 971.05,643.13 981.94,632.23 ; 1144.67,843.07 U310.C1@1144.66,838.02 1145.16,837.54 1145.16,829.09 ; 1155.35,853.78 U310.B2@1160.4,853.77 ; 1279.69,649.67 1279.69,664.14 ; 1332.75,582.14 1342.38,572.51
  L8 w10.99: 979.77,815.6 988.48,824.32 ; 1279.69,635.2 1279.69,649.67
  L8 w12.01: 1144.67,843.07 1144.67,848.74 U310.C2@1144.66,853.77 1149.68,853.78 1155.35,853.78 ; 1352.01,562.88 1359.96,562.88 v1(1367.9,562.88)
  L8 w13.03: 988.48,824.32 988.48,837.53 ; 988.48,850.74 988.48,863.95 ; 1279.69,635.2 1284.59,630.3
  L8 w14.05: 981.94,632.23 992.84,621.34 1003.73,610.44 ; 988.48,837.53 988.48,850.74 ; 988.48,863.95 988.48,877.16 988.48,890.37 R339.2@988.48,903.58 ; 1025.52,588.65 1075.65,588.65 1090.95,573.36 1227.64,573.36 1284.59,630.3 1294.22,620.67 1303.85,611.04 1313.48,601.41 1323.12,591.77 1332.75,582.14 ; 1214.51,758.26 1214.51,759.74
USB2_CC2_CN: J302.B5 R339.1 TVS307.2 U310.B1 | length 1651.3
  L3 w3.5: 1721.1,230.19 1732.18,219.11 1743.25,208.04 1754.32,196.97 1765.39,185.9 ; 1776.02,86.26 1790.85,86.26 1805.68,86.26 1820.52,86.26 1835.35,86.26 1850.18,86.26
  L3 w4.85: 1765.39,185.9 1776.46,174.83
  L3 w5.87: 1196.94,808.3 1207.34,807.22
  L3 w6.9: 1188.6,810.43 1196.94,808.3 ; 1207.34,807.22 1217.64,817.51 ; 1765.12,97.17 1776.02,86.26
  L3 w7.92: v1(1189.04,801.97) v1@1189.04,803.79 ; v1(1577.12,561.65) 1587.06,551.71 ; 1648.06,314.74 1658.46,304.35 1668.85,293.95 1679.25,283.56 ; 1689.64,273.16 1700.04,262.77 1710.43,252.37 1720.82,241.99
  L3 w8.94: v1(1052.24,916.07) 1062.59,905.72 1072.94,895.37 1083.29,885.02 1093.64,874.67 1103.99,864.32 1114.34,853.97 1124.69,843.62 1135.04,833.27 1145.39,822.92 1155.74,812.57 1168,812.57 ; 1378.4,766.63 1387.51,757.52 v1(1396.62,748.42) ; 1616.88,345.93 1627.27,335.53 1637.67,325.14 1648.06,314.74 ; J302.B5@1656.05,206.23 1666.95,195.33 1677.86,184.43
  L3 w9.96: 1677.86,184.43 1688.77,173.52
  L3 w10.99: 1679.25,283.56 1689.64,273.16
  L3 w12.01: 1180.26,812.57 v1@1189.04,803.79 ; 1720.82,241.99 1721.1,230.19
  L3 w13.03: 1180.26,812.57 1188.6,810.43
  L3 w14.05: 1168,812.57 1180.26,812.57 ; 1217.64,817.51 1221.42,817.51 1254.07,784.86 1360.17,784.86 1369.3,775.74 1378.4,766.63 ; 1587.06,551.71 1597,541.77 1606.94,531.83 1616.88,521.89 1616.88,345.93 ; 1688.77,173.52 1699.67,162.61 1710.58,151.7 1721.49,140.8 1732.39,129.89 1743.3,118.98 1754.21,108.07 1765.12,97.17 ; 1776.46,174.83 1787.53,163.76 1798.6,152.7 1809.67,141.63 1820.74,130.56 1831.81,119.49 1842.88,108.42 1853.95,97.35 1853.95,90.03 1850.18,86.26
  L8 w8.94: 1568.63,561.65 v1(1577.12,561.65)
  L8 w9.96: U310.B1@1160.4,838.02 1161.47,836.96 1161.47,829.54 1168.98,822.03 1176.5,814.51 1182.77,808.24 v1(1189.04,801.97)
  L8 w12.01: 1413.79,736.09 1423.07,726.81 ; 1441.64,708.24 1450.93,698.96 1450.93,683.69
  L8 w13.03: 1423.07,726.81 1432.36,717.52
  L8 w14.05: R339.1@1018,903.58 1039.74,903.58 v1(1052.24,916.07) ; v1(1396.62,748.42) 1408.95,736.09 1413.79,736.09 ; 1432.36,717.52 1441.64,708.24 ; 1450.93,683.69 1450.93,668.42 1450.93,653.14 TVS307.2@1450.91,637.88 1472.31,637.87 1548.53,561.65 1560.14,561.65 1568.63,561.65
USB2_CN_DN: J302.A7 J302.B7 U309.A2 | length 1108.8
  L1 w4.28: J302.B7@1608.8,233.79 1618.05,243.05 1618.05,247.17 1626.22,255.33 1634.39,263.5 J302.A7@1634.39,277.49 1629.19,291.46 1629.27,301.75 1636.85,309.33 1644.43,316.91 1657.58,316.91 1670.73,316.91 1670.85,316.91 1670.98,316.92 1671.1,316.93 1671.22,316.94 1671.34,316.95 1671.46,316.97 1671.58,316.99 1671.7,317.01 1671.82,317.04 1671.94,317.07 1672.06,317.1 1672.17,317.14 1672.29,317.18 1672.4,317.22 1672.52,317.27 1672.63,317.32 1672.74,317.37 1672.85,317.42 1672.95,317.48 1673.06,317.54 1673.17,317.6 1673.27,317.67 1673.37,317.73 1673.47,317.8 1673.57,317.88 1673.66,317.95 1673.76,318.03 1673.85,318.11 1673.94,318.2 1674.01,318.27 1684.48,328.73 1694.94,339.19 1705.4,349.65 1715.86,360.12 1715.94,360.2 1716.03,360.29 1716.11,360.38 1716.18,360.48 1716.26,360.57 1716.33,360.67 1716.4,360.77 1716.47,360.87 1716.54,360.98 1716.6,361.08 1716.66,361.19 1716.71,361.3 1716.77,361.4 1716.82,361.52 1716.87,361.63 1716.91,361.74 1716.95,361.86 1716.99,361.97 1717.03,362.09 1717.06,362.21 1717.09,362.32 1717.12,362.44 1717.14,362.56 1717.16,362.68 1717.18,362.8 1717.19,362.92 1717.2,363.05 1717.21,363.17 1717.22,363.29 1717.22,363.4 1717.22,382.31 1717.22,401.23 1717.22,420.15 1717.22,439.06 1717.22,457.98 1717.22,476.9 1717.22,495.81 1717.22,514.73 1717.22,533.65 1717.22,552.56 1728.55,563.9 1739.89,575.23 1751.22,586.57 1751.31,586.65 1751.39,586.74 1751.47,586.84 1751.55,586.93 1751.62,587.03 1751.7,587.12 1751.77,587.22 1751.84,587.32 1751.9,587.43 1751.96,587.53 1752.02,587.64 1752.08,587.75 1752.13,587.86 1752.18,587.97 1752.23,588.08 1752.28,588.19 1752.32,588.31 1752.36,588.42 1752.39,588.54 1752.43,588.66 1752.46,588.78 1752.48,588.89 1752.51,589.01 1752.53,589.13 1752.54,589.25 1752.56,589.38 1752.57,589.5 1752.58,589.62 1752.58,589.74 1752.58,589.85 1752.58,607.12 1752.58,624.39 1752.58,641.66 1752.58,658.94 1752.58,676.21 1764.95,688.58 1777.33,700.95 1789.7,713.32 1802.07,725.7 1816.56,732.32 1831.06,738.94 1831.17,738.99 1831.27,739.05 1831.38,739.11 1831.49,739.17 1831.59,739.23 1831.69,739.3 1831.8,739.36 1831.89,739.44 1831.99,739.51 1832.09,739.59 1832.18,739.67 1832.27,739.75 1832.36,739.83 1832.44,739.92 1832.53,740 1832.61,740.1 1832.69,740.19 1832.77,740.28 1832.84,740.38 1832.91,740.48 1832.98,740.58 1833.05,740.68 1833.11,740.78 1833.17,740.89 1833.23,741 1833.29,741.11 1833.34,741.22 1833.39,741.33 1833.44,741.44 1833.48,741.55 1833.52,741.67 1833.56,741.78 1833.59,741.9 1833.63,742.02 1833.65,742.14 1833.68,742.26 1833.7,742.38 1833.72,742.5 1833.73,742.61 1834.95,752.75 v1(1837.71,752.42)
  L8 w4.28: U309.A2@1634.44,1111.53 1629.39,1114.77 1622.18,1114.79 1621.86,1114.47 1621.86,1098.09 1621.86,1081.71 1635.34,1068.23 1648.82,1054.75 1662.3,1041.27 1675.78,1027.79 1689.26,1014.31 1702.74,1000.83 1716.22,987.35 1729.7,973.87 1743.18,960.39 1756.66,946.91 1770.14,933.43 1783.62,919.95 1797.1,906.47 1810.58,893 1810.65,892.92 1810.73,892.83 1810.82,892.74 1810.89,892.64 1810.97,892.55 1811.04,892.45 1811.11,892.35 1811.18,892.25 1811.25,892.15 1811.31,892.04 1811.37,891.94 1811.43,891.83 1811.48,891.72 1811.53,891.61 1811.58,891.5 1811.62,891.38 1811.67,891.27 1811.71,891.15 1811.74,891.04 1811.78,890.92 1811.81,890.8 1811.83,890.68 1811.86,890.56 1811.88,890.44 1811.9,890.32 1811.91,890.2 1811.92,890.08 1811.93,889.96 1811.93,889.84 1811.94,889.71 1811.94,872.23 1811.94,854.74 1811.94,837.25 1811.94,819.76 1811.94,802.27 1811.94,784.78 1823.18,775.93 1834.42,767.08 1834.51,767.01 1834.61,766.93 1834.7,766.85 1834.78,766.77 1834.87,766.68 1834.96,766.59 1835.04,766.5 1835.12,766.41 1835.19,766.32 1835.27,766.22 1835.34,766.12 1835.41,766.02 1835.48,765.92 1835.54,765.81 1835.6,765.71 1835.66,765.6 1835.71,765.49 1835.77,765.38 1835.82,765.27 1835.86,765.16 1835.91,765.04 1835.95,764.93 1835.99,764.81 1836.02,764.7 1836.05,764.58 1836.08,764.46 1836.11,764.34 1836.13,764.22 1836.15,764.1 1836.16,763.98 1836.18,763.86 1836.18,763.74 1836.19,763.62 1836.19,763.49 1836.19,763.37 1836.19,763.25 1836.18,763.13 1836.17,763.01 1836.16,762.88 1834.95,752.75 v1(1837.71,752.42)
USB2_CN_DP: J302.A6 J302.B6 U309.A1 | length 1222.9
  L1 w4.28: v1(1617.41,325.82) 1610.13,318.55 1610.13,301.87 1614.7,291.5 J302.A6@1614.71,277.49 1619.91,291.53 1620,303.72 1620,303.79 1620.01,303.92 1620.01,304.04 1620.02,304.16 1620.04,304.28 1620.06,304.4 1620.08,304.52 1620.1,304.64 1620.13,304.76 1620.16,304.88 1620.19,305 1620.22,305.11 1620.26,305.23 1620.31,305.34 1620.35,305.46 1620.4,305.57 1620.45,305.68 1620.5,305.79 1620.56,305.9 1620.62,306 1620.68,306.11 1620.75,306.21 1620.81,306.31 1620.88,306.41 1620.96,306.51 1621.03,306.6 1621.11,306.7 1621.19,306.79 1621.27,306.88 1621.36,306.97 1630.29,315.9 1639.22,324.83 1639.3,324.91 1639.39,324.99 1639.48,325.07 1639.58,325.15 1639.67,325.23 1639.77,325.3 1639.87,325.37 1639.97,325.44 1640.07,325.5 1640.18,325.56 1640.28,325.62 1640.39,325.68 1640.5,325.74 1640.61,325.79 1640.72,325.84 1640.84,325.88 1640.95,325.92 1641.07,325.96 1641.18,326 1641.3,326.03 1641.42,326.06 1641.54,326.09 1641.66,326.11 1641.78,326.13 1641.9,326.15 1642.02,326.17 1642.14,326.18 1642.26,326.19 1642.38,326.19 1642.51,326.19 1655.66,326.19 1668.81,326.19 1681.85,339.23 1694.9,352.28 1707.94,365.32 1707.94,384.24 1707.94,403.15 1707.94,422.07 1707.94,440.98 1707.94,459.9 1707.94,478.82 1707.94,497.73 1707.94,516.65 1707.94,535.57 1707.94,554.48 1707.94,554.59 1707.94,554.71 1707.95,554.84 1707.96,554.96 1707.98,555.08 1707.99,555.2 1708.01,555.32 1708.04,555.44 1708.06,555.56 1708.09,555.68 1708.13,555.79 1708.16,555.91 1708.2,556.03 1708.24,556.14 1708.29,556.25 1708.34,556.37 1708.39,556.48 1708.44,556.59 1708.5,556.69 1708.56,556.8 1708.62,556.9 1708.68,557.01 1708.75,557.11 1708.82,557.21 1708.9,557.31 1708.97,557.4 1709.05,557.5 1709.13,557.59 1709.21,557.68 1709.3,557.77 1720.63,569.1 1731.97,580.44 1743.3,591.77 1743.3,609.04 1743.3,626.31 1743.3,643.59 1743.3,660.86 1743.3,678.13 1743.3,678.24 1743.31,678.36 1743.32,678.48 1743.33,678.6 1743.34,678.72 1743.36,678.84 1743.38,678.97 1743.4,679.08 1743.43,679.2 1743.46,679.32 1743.49,679.44 1743.53,679.56 1743.57,679.67 1743.61,679.79 1743.65,679.9 1743.7,680.01 1743.75,680.12 1743.81,680.23 1743.86,680.34 1743.92,680.45 1743.98,680.55 1744.05,680.65 1744.12,680.76 1744.19,680.86 1744.26,680.95 1744.34,681.05 1744.41,681.14 1744.49,681.23 1744.58,681.32 1744.66,681.41 1757.52,694.27 1770.38,707.13 1783.24,719.99 1796.1,732.85 1796.15,732.9 1796.24,732.98 1796.33,733.06 1796.42,733.14 1796.52,733.22 1796.61,733.29 1796.71,733.37 1796.81,733.43 1796.92,733.5 1797.02,733.56 1797.13,733.62 1797.23,733.68 1797.34,733.74 1797.45,733.79 1811.14,740.04 1824.83,746.3 1825.73,753.85 v1(1822.97,754.18)
  L8 w4.28: v1(1617.41,325.82) 1624.23,319 1631.04,312.18 1631.04,294.9 1631.04,277.62 1631.04,260.33 1631.04,243.05 J302.B6@1640.3,233.79 ; U309.A1@1634.44,1127.27 1629.42,1124.05 1620.28,1124.08 1620.16,1124.08 1620.04,1124.07 1619.92,1124.06 1619.8,1124.05 1619.68,1124.04 1619.55,1124.02 1619.43,1124 1619.32,1123.98 1619.2,1123.95 1619.08,1123.92 1618.96,1123.89 1618.84,1123.85 1618.73,1123.81 1618.61,1123.77 1618.5,1123.73 1618.39,1123.68 1618.28,1123.63 1618.17,1123.57 1618.06,1123.52 1617.95,1123.46 1617.85,1123.4 1617.75,1123.33 1617.64,1123.26 1617.54,1123.19 1617.45,1123.12 1617.35,1123.04 1617.26,1122.97 1617.16,1122.89 1617.08,1122.8 1616.99,1122.72 1613.95,1119.69 1613.86,1119.6 1613.78,1119.51 1613.7,1119.42 1613.62,1119.32 1613.54,1119.23 1613.47,1119.13 1613.4,1119.03 1613.33,1118.93 1613.27,1118.83 1613.21,1118.72 1613.15,1118.62 1613.09,1118.51 1613.04,1118.4 1612.98,1118.29 1612.94,1118.18 1612.89,1118.06 1612.85,1117.95 1612.81,1117.83 1612.77,1117.72 1612.74,1117.6 1612.71,1117.48 1612.68,1117.36 1612.66,1117.24 1612.64,1117.12 1612.62,1117 1612.61,1116.88 1612.6,1116.76 1612.59,1116.64 1612.58,1116.51 1612.58,1116.4 1612.58,1098.09 1612.58,1079.79 1612.58,1079.66 1612.59,1079.54 1612.6,1079.42 1612.61,1079.3 1612.62,1079.18 1612.64,1079.06 1612.66,1078.94 1612.68,1078.82 1612.71,1078.7 1612.74,1078.58 1612.78,1078.46 1612.81,1078.35 1612.85,1078.23 1612.89,1078.12 1612.94,1078 1612.99,1077.89 1613.04,1077.78 1613.09,1077.67 1613.15,1077.56 1613.21,1077.46 1613.27,1077.35 1613.34,1077.25 1613.41,1077.15 1613.48,1077.05 1613.55,1076.95 1613.62,1076.86 1613.7,1076.76 1613.78,1076.67 1613.87,1076.58 1613.94,1076.51 1627.42,1063.03 1640.9,1049.55 1654.38,1036.07 1667.86,1022.59 1681.34,1009.11 1694.82,995.63 1708.3,982.15 1721.78,968.67 1735.26,955.19 1748.74,941.71 1762.22,928.23 1775.7,914.75 1789.18,901.27 1802.66,887.79 1802.66,870.25 1802.66,852.71 1802.66,835.16 1802.66,817.62 1802.66,800.08 1802.66,782.53 1802.66,782.41 1802.66,782.29 1802.67,782.17 1802.68,782.05 1802.7,781.92 1802.71,781.8 1802.73,781.68 1802.76,781.56 1802.78,781.44 1802.81,781.33 1802.85,781.21 1802.88,781.09 1802.92,780.98 1802.97,780.86 1803.01,780.75 1803.06,780.64 1803.11,780.53 1803.16,780.42 1803.22,780.31 1803.28,780.2 1803.34,780.1 1803.41,780 1803.48,779.89 1803.55,779.8 1803.62,779.7 1803.7,779.6 1803.78,779.51 1803.86,779.42 1803.94,779.33 1804.02,779.24 1804.11,779.16 1804.2,779.07 1804.29,778.99 1804.39,778.92 ; 1804.43,778.89 1815.53,770.14 1826.64,761.4 1825.73,753.85 v1(1822.97,754.18)